# Altium PCB PCB_CAR.PcbDoc (part 3 of 3)
Units mil, origin at the board's own origin, x right, y up, seen from the top; angles counter-clockwise.
Board outline 3935 x 3900 mil, 4 copper layers (Top Layer, GND, PWR, Bottom Layer), stack 23.756 mil thick; 293 components, 267 nets, 1116 pads, 574 vias.
Unrouted connection lines stored in the file: 3.
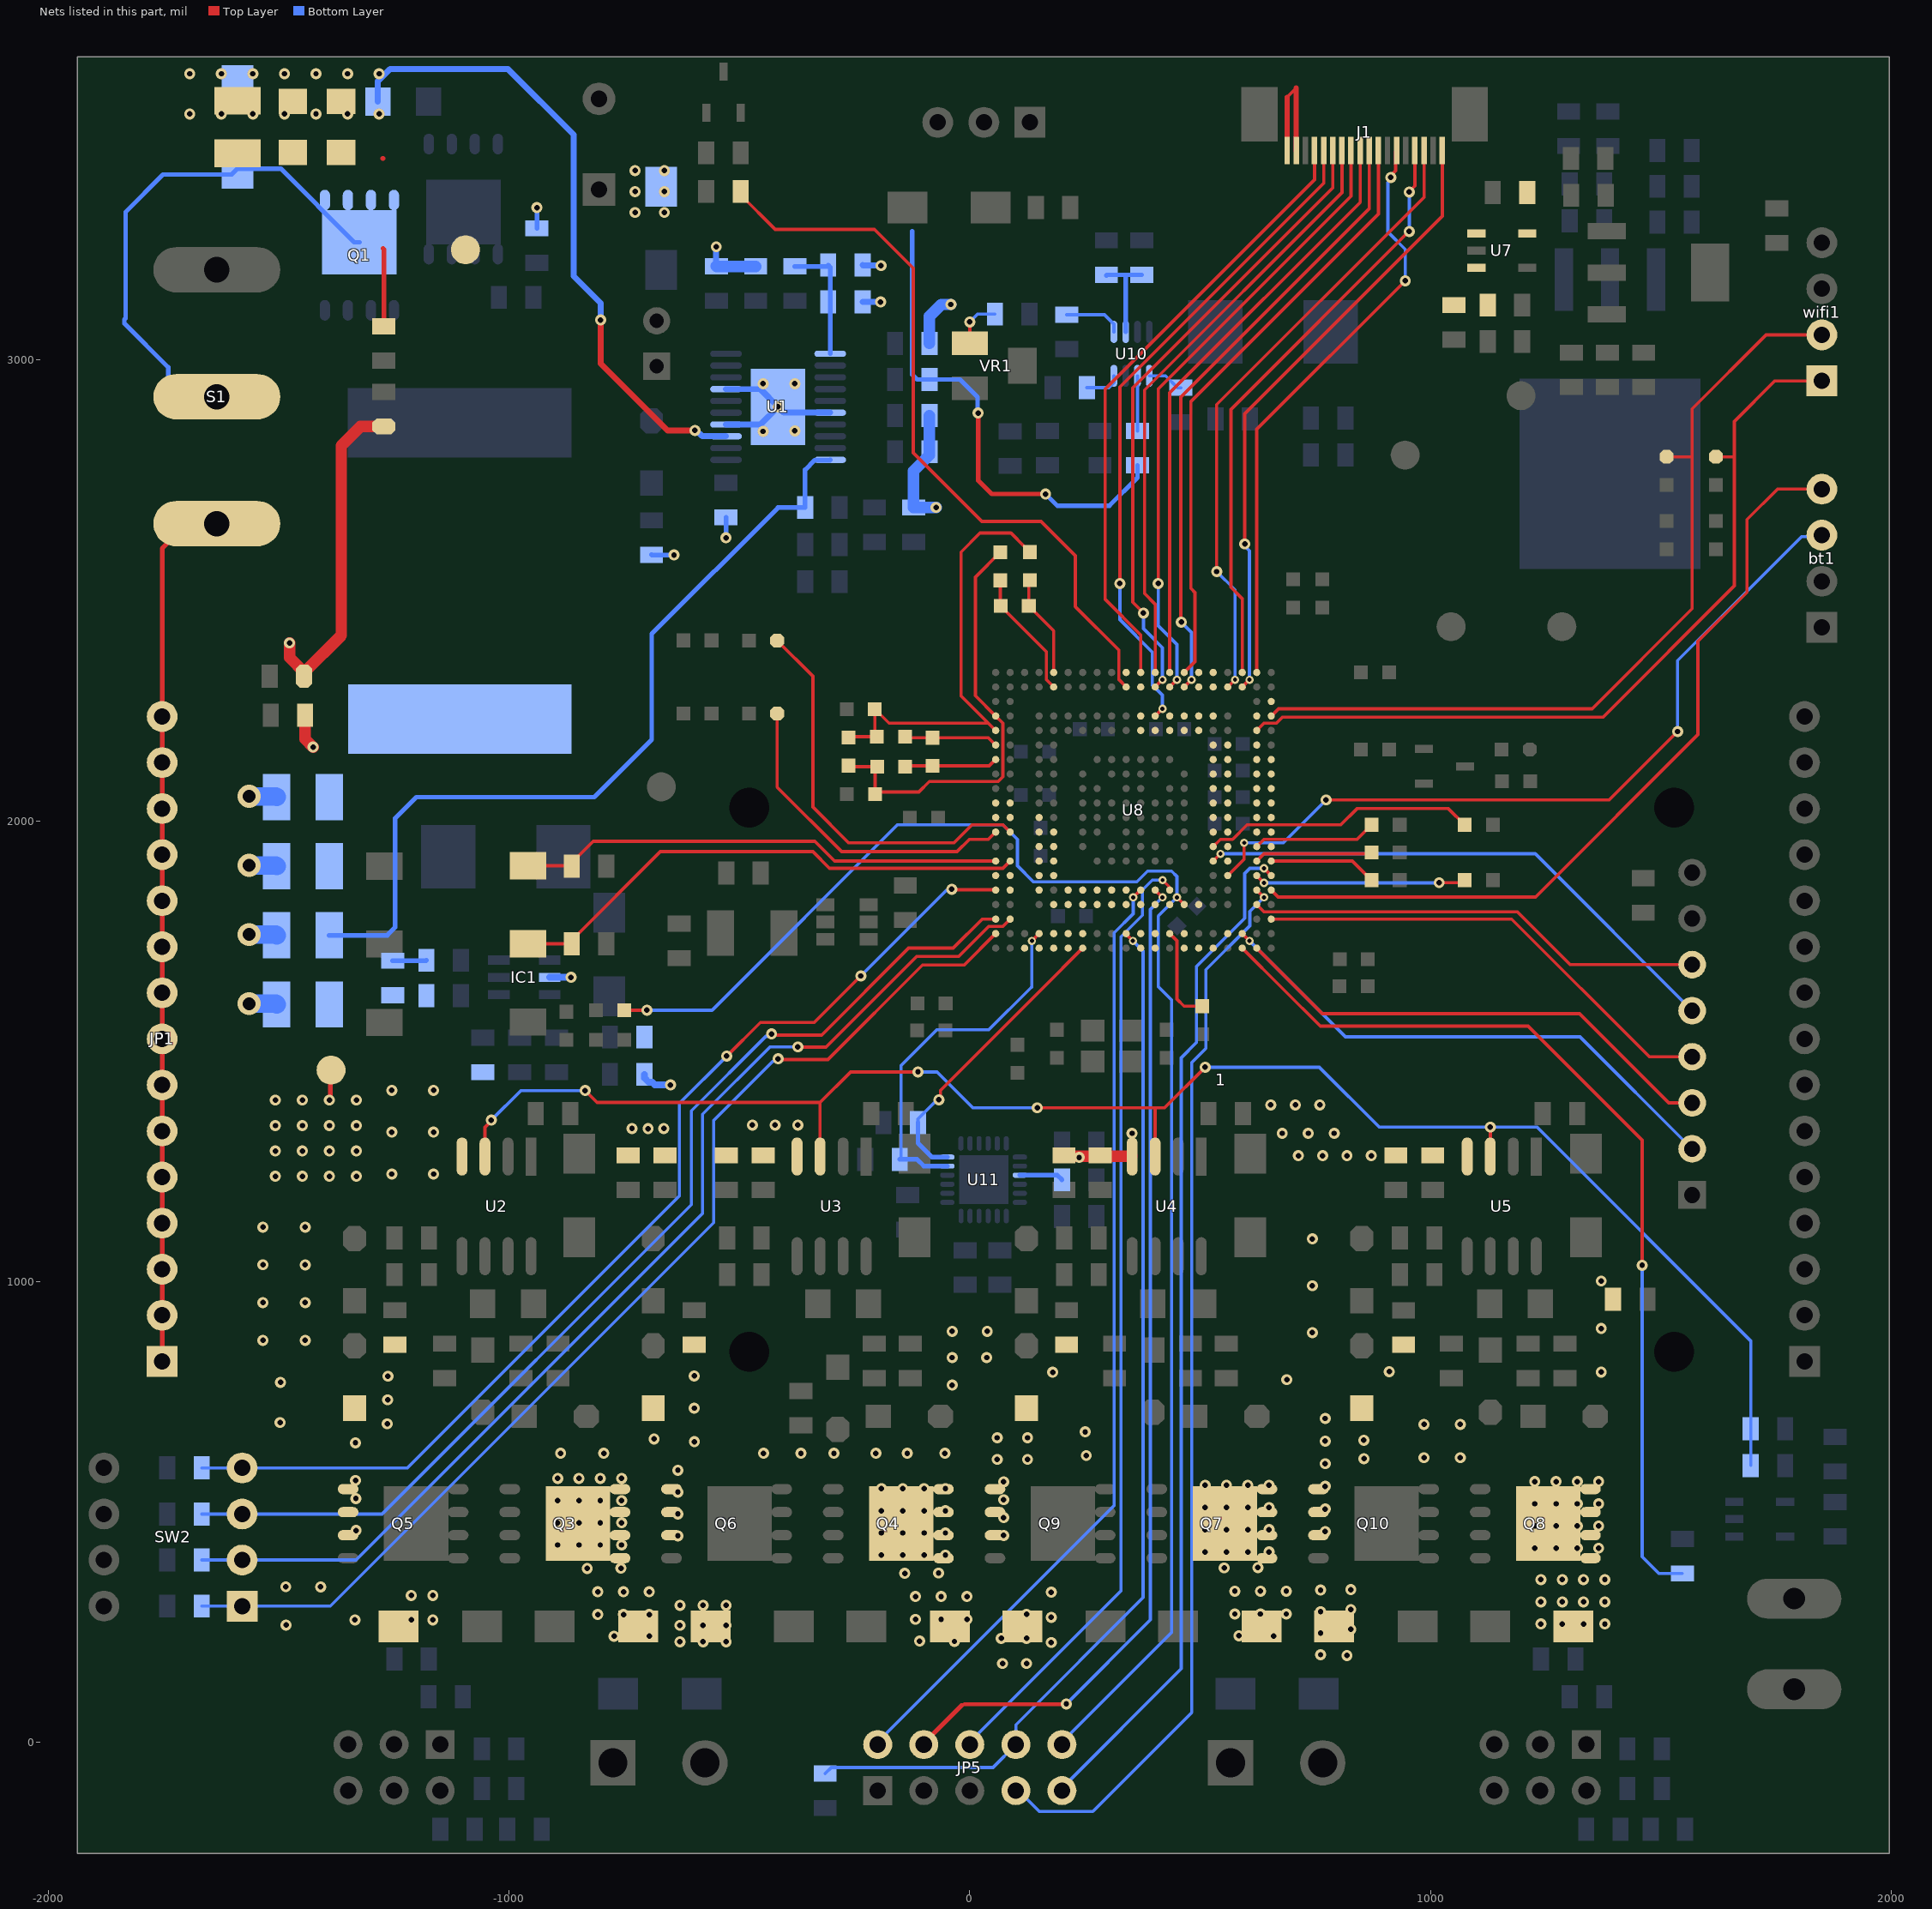
[diagram p5: the nets of this part, all layers, seen from the top]

## Via types
v1: diameter 24, hole 12, Top Layer to Bottom Layer, 474 vias
v2: diameter 18, hole 9, Top Layer to Bottom Layer, 92 vias
v3: diameter 50, hole 28, Top Layer to Bottom Layer, 6 vias
v4: diameter 122.05, hole 122.05, Top Layer to Bottom Layer, 2 vias

## Nets (pads, with @x,y where several pads share a name; then routed paths per layer and width w, separated by ;. In a path a pad name is that pad's centre, name@x,y a point inside that pad or via, vN(x,y) a via of type N, cw(c..) or ccw(c..) an arc to the next point about the centre after c; other vN are vias at no path point) (continued)
NetR70_1: R70.1 U10.1 | length 255.3
  Bottom Layer w7: 292.28,3098.78 U10.1@312.8,3078.26 ; 292.28,3098.78 R70.1@210.52,3098.78 292.28,3098.78 ; 292.28,3098.78 U10.1@312.8,3078.26 ; U10.1@312.8,3078.26 U10.1@312.8,3061.37 U10.1@312.8,3078.26
NetR71_1: R71.1 U10.8 | length 155.3
  Bottom Layer w7: 302.11,2940.42 R71.1@254.45,2940.42 302.11,2940.42 ; 302.11,2940.42 U10.8@312.79,2951.11 ; 302.11,2940.42 U10.8@312.79,2951.11 ; U10.8@312.79,2951.11 U10.8@312.79,2966.01 U10.8@312.79,2951.11
NetR74_1: R74.1 U10.6 | length 119.6
  Bottom Layer w7: R74.1@363.97,2846.4 U10.6@363.97,2966.01
NetR75_1: R75.1 U10.5 | length 159.1
  Bottom Layer w7: 424.99,2966 R75.1@450.88,2940.12 ; 424.99,2966 U10.5@389.57,2966 424.99,2966 ; 424.99,2966 R75.1@450.88,2940.12 ; R75.1@450.88,2940.12 R75.1@458.38,2940.12 R75.1@450.88,2940.12
NetR80_2: R80.2 U11.9 | length 95.5
  Bottom Layer w10: U11.9@108.64,1230.53 190,1230.53 R80.2@200,1220.53
NetRF2_2: RF2.2 VR1.1 | length 220.4
  Top Layer w7: VR1.1@-0.09,3036.96 -0.09,3085.5 VR1.1@-0.09,3036.96
  Bottom Layer w7: 16.97,3100 RF2.2@54.47,3100 16.97,3100 ; 16.97,3100 v1(-0.09,3082.93) 16.97,3100
P00_0: J1.8 U8.G1 | length 1315.1
  Top Layer w7: U8.G1@465.49,2321.97 489,2345.48 489,2495.49 480.19,2504.3 480.19,2910.49 887.26,3317.57 J1.8@887.26,3455.02
P00_1: J1.9 U8.G2 | length 1350.4
  Top Layer w7: v1(459.14,2431.32) 457.92,2432.54 457.92,2919.79 867.46,3329.33 J1.9@867.46,3455.02 ; U8.G2@465.49,2290.47 v2(481.24,2306.22)
  Bottom Layer w7: v1(459.14,2431.32) 479.75,2410.71 481.24,2409.23 v2(481.24,2306.22)
P00_2: J1.10 U8.H1 | length 1304.4
  Top Layer w7: U8.H1@433.99,2321.97 433.99,2410.71 433.99,2929.1 847.66,3342.77 J1.10@847.66,3455.02
P00_3: J1.11 U8.H2 | length 1361.4
  Top Layer w7: v1(409,2515) 409,2937 827.86,3355.86 J1.11@827.86,3455.02 ; U8.H2@433.99,2290.47 v2(449.74,2306.22)
  Bottom Layer w7: v1(409,2515) 409,2423.66 449.74,2382.92 v2(449.74,2306.22)
P00_4: J1.12 U8.J1 | length 1320.2
  Top Layer w7: U8.J1@402.5,2321.97 402.5,2470.2 379.32,2493.37 379.32,2935.32 808.06,3364.06 J1.12@808.06,3455.02
P00_5: J1.13 U8.J2 | length 1377.8
  Top Layer w7: v1(377,2451) 353.75,2474.25 353.75,2939.75 788.26,3374.26 J1.13@788.26,3455.02 ; U8.J2@402.5,2290.47 v2(418.24,2306.22)
  Bottom Layer w7: v1(377,2451) 377,2417 418.24,2375.76 v2(418.24,2306.22)
P00_6: J1.14 U8.J4 | length 1455.7
  Top Layer w7: v1(325.84,2515) 325.84,2941.84 768.46,3384.46 J1.14@768.46,3455.02 ; U8.J4@402.5,2227.48 v2(418.24,2243.23)
  Bottom Layer w7: v1(325.84,2515) 325.84,2436.67 396,2366.5 396,2295 418.24,2272.76 v2(418.24,2243.23)
P00_7: J1.15 U8.K1 | length 1353.3
  Top Layer w7: U8.K1@371,2321.97 371,2403.28 294,2480.28 294,2937.37 748.66,3392.03 J1.15@748.66,3455.02
P00_8: U8.K4
P00_9: U8.K2
P00_10: U8.K5
P00_11: U8.L1
P00_12: R78.2 U8.L2 | length 1624.3
  Top Layer w7: R78.2@-497.6,3366.36 -497.6,3358.86 -422.74,3284 -207,3284 -122.7,3199.7 -122.7,2798.7 26.22,2649.78 154.78,2649.78 228.89,2575.67 228.89,2464.9 323.76,2370.03 323.76,2306.22 U8.L2@339.5,2290.47
P01_3: U8.G5
P01_4: U8.G4
P01_5: U8.H5
P01_6: U8.H4
P01_7: U8.J5
P02_0: J1.6 U8.B1 | length 1290.1
  Top Layer w7: U8.B1@622.97,2321.97 622.97,2849.82 v1(945.54,3172.39) ; v1(914.16,3396.66) 914.16,3401.26 924.36,3411.46 924.36,3452.52 J1.6@926.86,3455.02
  Bottom Layer w7: v1(914.16,3396.66) 914.16,3392.06 907.95,3385.85 907.95,3278.05 945.54,3240.46 v1(945.54,3172.39)
P02_1: J1.1 U8.C2 | length 1352.9
  Top Layer w7: U8.C2@591.47,2290.47 v2(607.22,2306.22) ; v1(597,2601) 597,2883.78 1025.86,3312.64 J1.1@1025.86,3455.02
  Bottom Layer w7: v1(597,2601) 597,2596.4 607.22,2586.18 607.22,2410.71 v2(607.22,2306.22)
P02_2: J1.4 U8.C1 | length 1310.8
  Top Layer w7: U8.C1@591.47,2321.97 591.47,2410.71 591.47,2482.53 567,2507 567,2893 952.71,3278.71 v1@954.69,3278.71 ; v1@953.53,3365.55 966.46,3378.48 J1.4@966.46,3455.02
  Bottom Layer w7: v1@953.53,3365.55 v1(954.11,3364.96) v1(954.11,3279.29) v1@954.69,3278.71
P02_3: J1.3 U8.D2 | length 1374
  Top Layer w7: v1(536,2541) 536,2903.58 986.26,3353.84 J1.3@986.26,3455.02 ; U8.D2@559.98,2290.47 v2(575.72,2306.22)
  Bottom Layer w7: v1(536,2541) 575.72,2501.28 575.72,2410.71 v2(575.72,2306.22)
P02_5: U8.E2
P02_6: U8.E1
P02_7: U8.F2
P02_8: U8.F1
P02_9: U8.E4
P02_10: U8.F5
P02_11: U8.F4
P10_0: U8.A7
P10_1: U8.B7
P10_4: U8.B6
P10_5: LED4.2 U8.B5 wifi1.1 | length 1790.6
  Top Layer w7: U8.B5@622.97,2195.98 638.72,2211.73 665.62,2211.73 678.89,2225 1375,2225 1660,2510 1660,2790.18 ; LED4.2@1620,2790.18 1660,2790.18 ; wifi1.1@1850,2955 1748,2955 1660,2867 1660,2790.18
P10_6: LED5.2 U8.A4 wifi1.2 | length 1847.9
  Top Layer w7: U8.A4@654.46,2227.48 670.21,2243.23 1351.23,2243.23 1568.33,2460.33 1568.33,2790.18 ; LED5.2@1513,2790.18 1568.33,2790.18 ; wifi1.2@1850,3055 1729,3055 1568.33,2894.33 1568.33,2790.18
P10_7: U8.A3
P10_8: U8.B4
P11_0: U8.E10
P11_1: U8.E9
P11_2: U8.A10
P11_3: U8.B10
P11_4: U8.D10
P11_5: U8.D8
P11_6: U8.D9
P11_7: U8.E8
P11_8: U8.E7
P11_9: U8.A9
P11_10: U8.B9
P11_11: U8.A8
P11_12: U8.B8
P11_13: U8.E6
P11_14: U8.D7
P11_15: U8.D6
P12_0: U8.E12
P12_1: U8.E11
P13_0: U8.B12
P13_1: U8.A12
P13_2: U8.B11
P13_3: U8.A11
P14_0: JP5.7 U8.B16 | length 2349.1
  Top Layer w7: U8.B16@622.97,1849.53 v2(638.72,1833.78)
  Bottom Layer w7: JP5.7@100,-100 151,-151 267,-151 482,64 482,1475.33 512.73,1506.06 512.73,1634.8 512.73,1676.5 608.18,1771.96 608.18,1803.25 v2(638.72,1833.78)
P14_1: JP5.9 U8.A15 | length 2219.2
  Top Layer w7: v2(638.72,1896.77) U8.A15@654.46,1881.02 U8.A15@654.84,1881.4
  Bottom Layer w7: JP5.9@200,-100 459,159 459,1485.5 492.24,1518.74 492.24,1634.8 492.24,1683.51 597,1788.27 597,1885.59 608.18,1896.77 v2(638.72,1896.77)
P14_2: R41.1 U8.E13 | length 594.6
  Top Layer w7: U8.E13@528.48,1944.02 544.23,1959.76 570.46,1959.76 601.95,1991.26 805.46,1991.26 840.63,2026.43 1039.24,2026.43 R41.1@1074.41,1991.26
P14_3: R42.1 U8.B14 | length 256.9
  Top Layer w7: U8.B14@622.97,1912.52 638.72,1928.27 869.13,1928.27 R42.1@872.13,1931.26
P14_4: R52.1 U8.B15 | length 460.4
  Top Layer w7: U8.B15@622.97,1881.02 v2(638.72,1865.28) ; v1(1018.94,1865.5) 1068.64,1865.5 R52.1@1074.41,1871.27
  Bottom Layer w7: v2(638.72,1865.28) 743.21,1865.28 1018.72,1865.28 v1(1018.94,1865.5)
P14_5: R40.1 U8.A14 | length 234.5
  Top Layer w7: U8.A14@654.46,1912.52 830.25,1912.52 860,1882.77 860.63,1882.77 871.5,1871.89 R40.1@871.5,1871.27
P14_6: R50.1 U8.B13 | length 268.7
  Top Layer w7: U8.B13@622.97,1944.02 638.72,1959.76 840.63,1959.76 R50.1@872.13,1991.26
P14_7: U8.D13
P14_8: U8.A13
P14_9: U8.D12
P14_10: U8.D11
P15_0: 1.6 U8.B20 | length 1084.5
  Top Layer w7: U8.B20@622.97,1723.54 765.54,1580.97 1324.03,1580.97 1517.34,1387.66 1.6@1568.33,1387.66
P15_1: 1.5 U8.A18 | length 1037.7
  Top Layer w7: U8.A18@654.46,1786.54 743.21,1786.54 1176.46,1786.54 1475.34,1487.66 1.5@1568.33,1487.66
P15_2: 1.7 U8.C19 | length 1170.4
  Top Layer w7: U8.C19@591.47,1755.04 v2(607.22,1739.29)
  Bottom Layer w7: v2(607.22,1739.29) 815.51,1531 1324.99,1531 1.7@1568.33,1287.66
P15_3: 1.3 U8.B17 | length 999.4
  Top Layer w7: U8.B17@622.97,1818.03 638.72,1802.28 743.21,1802.28 1188.79,1802.28 1303.41,1687.66 1.3@1568.33,1687.66
P15_5: 1.4 U8.E14 | length 1187.5
  Top Layer w7: U8.E14@528.48,1912.52 v2(544.23,1928.27)
  Bottom Layer w7: v2(544.23,1928.27) 1227.72,1928.27 1.4@1568.33,1587.66
P15_6: bt1.4 U8.A16 | length 1779.8
  Top Layer w7: U8.A16@654.46,1849.53 669.46,1834.53 1228.52,1834.53 1581.04,2187.05 1581.04,2389.75 1687.28,2496 1687.28,2653.95 1753.34,2720 bt1.4@1850,2720
P15_7: bt1.3 U8.D15 | length 1707.2
  Top Layer w7: U8.D15@559.98,1881.02 595.59,1916.64 v2(595.59,1952.22) ; v1(773.62,2045.31) 1388.35,2045.31 v1(1536.75,2193.7)
  Bottom Layer w7: v2(595.59,1952.22) 680.53,1952.22 v1(773.62,2045.31) ; v1(1536.75,2193.7) 1536.75,2347.75 1806.04,2617.04 1847.04,2617.04 bt1.3@1850,2620
P15_8: U8.D14
P20_1: U8.G19
P20_2: R58.1 U8.H19 | length 210.1
  Top Layer w7: U8.H19@433.99,1755.04 449.74,1739.29 449.74,1612.81 464.97,1597.58 R58.1@504.76,1597.58
P20_3: U8.G20
P20_6: U8.F17
P20_8: U8.F20
P20_11: U8.E20
P20_12: U8.D19
P20_14: R45.2 U8.C20 | length 2047.4
  Top Layer w7: U8.C20@591.47,1723.54 680.21,1634.8 761.02,1554 1212.18,1554 1459.83,1306.35 v1(1459.83,1034.9)
  Bottom Layer w7: v1(1459.83,1034.9) 1459.83,402.31 1496.24,365.89 R45.2@1546.97,365.89
P21_0: U8.K17
P21_1: U8.J17
P21_2: U8.K19
P21_3: U8.J19
P21_4: U8.K20
P21_5: U8.J20
P21_6: U8.H17
P21_7: JP5.6 U8.H16 | length 2085.7
  Top Layer w7: v2(418.42,1871.27) 432.32,1857.36 432.32,1851.2 U8.H16@433.99,1849.53
  Bottom Layer w7: JP5.6@0,0 328.24,328.24 328.24,1634.8 328.24,1748.24 374.75,1794.75 374.75,1849.75 396.27,1871.27 v2(418.42,1871.27)
P22_0: R77.1 U8.P20 U11.24 | length 650
  Top Layer w7: v1(-67.03,1394.4) -63.77,1397.65 -63.77,1414.75 156.28,1634.8 U8.P20@245.02,1723.54
  Bottom Layer w7: R77.1@-112.6,1345 -112.6,1352.5 -70.7,1394.4 v1(-67.03,1394.4)
  Bottom Layer w10: R77.1@-112.6,1345 -112.6,1300 -82.5,1269.9 U11.24@-48.84,1269.9
P22_1: U8.P19
P22_2: U8.R20
P22_3: U8.R19
P22_4: U8.P16
P22_5: U8.P17
P22_6: U8.N16
P22_7: U8.N17
P22_8: U8.M16
P22_9: U8.M17
P22_10: U8.L16
P22_11: U8.L17
P23_0: U8.V20
P23_1: R76.1 U8.U19 U11.23 | length 791.6
  Top Layer w7: v2(134.78,1739.29) U8.U19@150.53,1755.04
  Bottom Layer w7: R76.1@-152.03,1265 R76.1@-152.03,1264.63 -149.44,1267.22 -149.44,1468.58 -71.88,1546.13 41.13,1546.13 129.8,1634.8 134.78,1639.78 v2(134.78,1739.29)
  Bottom Layer w10: R76.1@-152.03,1265 -114.61,1265 -99.83,1250.22 U11.23@-48.83,1250.22
P23_2: U8.U20
P23_3: U8.T19
P23_4: U8.T20
P23_5: U8.T17
P23_6: U8.R17
P23_7: U8.R16
P32_2: R68.2 SW2.3 U8.Y18 | length 2380
  Top Layer w7: v1(-430.51,1537.22) -428.1,1534.81 -321.67,1534.81 -132.9,1723.58 -36.09,1723.58 26.87,1786.54 U8.Y18@56.04,1786.54
  Bottom Layer w7: R68.2@-1667.6,495 SW2.3@-1580,495 -1276,495 -604.4,1166.6 -604.4,1370.4 -442.95,1531.84 -440.49,1531.84 -435.11,1537.22 v1(-430.51,1537.22)
P32_3: R66.2 SW2.1 U8.Y19 | length 2459.7
  Top Layer w7: v1(-416.15,1483.32) -414.5,1481.68 -308.21,1481.68 -102.88,1687.02 -32.7,1687.02 -11.98,1687.02 U8.Y19@56.04,1755.04
  Bottom Layer w7: R66.2@-1667.6,295 SW2.1@-1580,295 -1388.59,295 -556.15,1127.43 -556.15,1349.19 -428,1477.35 -426.72,1477.35 -420.75,1483.32 v1(-416.15,1483.32)
P32_4: R67.2 SW2.2 U8.W18 | length 2458.3
  Top Layer w7: v1(-373.49,1509.05) -372.79,1508.35 -312.38,1508.35 -115.23,1705.5 -32.7,1705.5 -24.25,1705.5 41.04,1770.79 71.79,1770.79 U8.W18@87.54,1786.54
  Bottom Layer w7: R67.2@-1667.6,395 SW2.2@-1580,395 -1332.59,395 -580.28,1147.31 -580.28,1362.72 -433.95,1509.05 v1(-373.49,1509.05)
P32_5: U8.T15
P32_6: U8.U15
P32_7: U8.U16
P33_0: U8.W10
P33_1: U8.Y10
P33_2: U8.W11
P33_3: U8.Y11
P33_4: LED6.2 U8.W12 | length 876.9
  Top Layer w7: LED6.2@-418.41,2391.26 -340.87,2313.72 -340.87,2029.69 -263.39,1952.22 -34.24,1952.22 4.81,1991.26 71.79,1991.26 U8.W12@87.54,1975.51
P33_5: LED7.2 U8.Y12 | length 710.1
  Top Layer w7: LED7.2@-418.41,2233.02 -418.33,2232.94 -418.33,2072.98 -278.25,1932.9 -27.93,1932.9 -1.07,1959.76 40.29,1959.76 U8.Y12@56.04,1975.51
P33_8: R72.2 SW3.1 U8.W14 | length 1155.2
  Top Layer w7: SW3.1@-959,1733 R72.2@-864.4,1733 -864.4,1740.5 -672,1932.9 -340.87,1932.9 -304.74,1896.77 71.79,1896.77 U8.W14@87.54,1912.52
P33_9: R73.2 SW4.1 U8.Y14 | length 1060
  Top Layer w7: SW4.1@-959,1902.22 -865.18,1902.22 R73.2@-864.4,1901.43 -864.4,1908.93 -850.4,1922.93 -850.3,1922.93 -817.73,1955.5 -336.61,1955.5 -293.63,1912.52 U8.Y14@56.04,1912.52
P33_10: U8.W15
P33_11: U8.Y15
P33_12: U8.W16
P33_13: R69.2 SW2.4 U8.Y16 | length 2362.3
  Top Layer w7: v1(-527.86,1489.18) -454.82,1562.21 -337.62,1562.21 v1(-236.71,1663.12) ; v1(-39.33,1851.39) -38.4,1850.46 -32.7,1850.46 55.11,1850.46 U8.Y16@56.04,1849.53
  Bottom Layer w7: R69.2@-1667.6,595 SW2.4@-1580,595 -1221.45,595 -630.68,1185.76 -630.68,1386.35 v1(-527.86,1489.18) ; v1(-236.71,1663.12) -51.69,1848.14 -42.59,1848.14 v1(-39.33,1851.39)
P33_14: U8.T14
P33_15: U8.U14
P34_1: U8.U11
P34_2: U8.T12
P34_3: U8.U12
P34_4: U8.T13
P34_5: U8.U13
PGND: C1.1 C2.1 C3.1 C4.1 C6.1 C7.1 C8.2 C9.2 C10.2 C11.2 C12.1 C13.1 C18.1 C19.1 C20.1 C21.1 C24.1 C25.1 C26.1 C27.1 C28.2 C29.2 C31.2 C32.2 CIN1.1 D12.1 D13.1 D23.1 D24.1 DR1.2 DZ3.1 DZ4.1 DZ7.1 DZ8.1 IC1.2 LED1.2 LED2.2 Q5.1 Q5.2 Q5.3 Q6.1 Q6.2 Q6.3 Q9.1 Q9.2 Q9.3 Q10.1 Q10.2 Q10.3 R5.1 R6.1 R7.2 R9.1 R21.1 R22.1 R35.1 R36.1 R44.2 RC1.2 RC.2 RFB2.2 U1.6 U1.13 U1.14 U1.17 U1.21 U2.4 U3.4 U4.4 U5.4 | length 3732.2
  Top Layer w13: v1(-801.76,3087.25) -801.76,2992.76 -656.61,2847.61 v1(-597,2847.61)
  Top Layer w25: v1(-1477,2386) -1477,2354.32 -1445.6,2322.92 LED2.2@-1445.6,2321.5 ; LED2.2@-1445.6,2314 LED2.2@-1445.6,2321.5 ; LED1.2@-1272.28,2856.15 -1322.9,2856.15 -1364.73,2814.33 -1364.73,2402.37 LED2.2@-1445.6,2321.5 ; C24.1@199.32,1278.37 C24.1@204.32,1273.37 ; C24.1@204.41,1271.96 C25.1@281.9,1271.96 ; C25.1@284.73,1271.96 U4.4@351.74,1271.96
  Bottom Layer w10: RC1.2@-940.03,3286.09 v1(-940.03,3331.29) ; C4.1@-691.12,2577.43 -690.7,2577.01 v1(-642.3,2577.01) ; R7.2@-529.43,2658.89 v1(-529.43,2614.43) v1@-528,2613
  Bottom Layer w13: R9.1@-1285.15,3561.41 -1285.15,3605.85 -1259,3632 -1003,3632 -860.45,3489.45 -860.45,3182.45 -801.76,3123.76 v1(-801.76,3087.25) ; v1(-597,2847.61) -594.03,2847.61 -581.28,2834.86 -529.53,2834.86 U1.13@-529.43,2834.76 ; CIN1.1@-550.6,3204.27 v1(-550.6,3246.14) ; U1.14@-529.43,2860.35 -454.7,2860.35 v1(-416.31,2898.73) ; U1.17@-529.43,2937.12 -454.7,2937.12 v1(-416.31,2898.73) ; U1.6@-303.19,2885.94 -403.51,2885.94 v1(-416.31,2898.73) ; C6.1@-232.63,3126.29 v1(-193.93,3126.29) ; C7.1@-232.63,3206.29 -231.62,3205.28 v1(-192.92,3205.28)
  Bottom Layer w15: IC1.2@-912.33,1660.2 v1(-865.86,1660.2) ; C29.2@-706.76,1449.37 -706.76,1441.87 -696.76,1431.87 -689.26,1431.87 -683.81,1426.43 v1(-649.96,1426.43)
  Bottom Layer w25: CIN1.1@-550.6,3204.27 CIN1.1@-550.03,3203.69 R5.1@-465.03,3203.69 ; C12.1@-87.63,2879.62 C13.1@-87.63,2801.29 -87.63,2793.79 -122.2,2759.21 RFB2.2@-122.2,2680.09 v1(-73.36,2680.09) ; R6.1@-87.63,3036.29 -87.63,3095 -61.63,3121 v1(-41,3121)
  Bottom Layer w40: v3(-1565,1603) -1506.69,1603 C10.2@-1505.12,1601.43 ; v3(-1565,1753) -1506.69,1753 C11.2@-1505.12,1751.43 ; v3(-1565,1903) -1506.69,1903 C8.2@-1505.12,1901.43 ; v3(-1565,2053) -1506.69,2053 C9.2@-1505.12,2051.43
  other v1: 71.18,170.36 123.22,170.36 818.74,187.9 761.63,189.4 176.68,216.03 -629.3,217.63 -579.25,217.63 -529.2,217.63 68.35,225.06 123.22,225.06 761.63,236.16 827.26,244.51 -629.3,253.28 -579.25,253.28 -529.2,253.28 -1484.66,254 -1335.06,265.18 -1212.85,265.18 -1165.88,265.18 176.68,270.55 123.22,277.28 761.63,282.92 827.26,287.59 -629.28,296.57 -579.23,296.57 -529.18,296.57 -1212.85,318.13 -1165.88,318.13 176.68,325.07 761.63,329.68 827.26,330.68 -1409.64,336.59 -1485.15,336.99 -633.92,447.39 73.41,448.35 771.47,456.79 -1332.54,459.3 73.41,487.13 -633.92,494.94 771.47,505.9 73.41,525.9 -1333.06,528.4 -633.92,542.48 771.47,555.01 73.41,564.68 -1333.68,567.93 -633.92,590.03 771.47,604.12 59.3,613.58 125.37,613.58 855.79,615.14 986.26,617.23 1065.01,617.23 252.87,621.95 -888.43,626.89 -794.69,626.89 -447.79,626.89 -366.72,626.89 -295.07,626.89 -203.86,626.89 -135.83,626.89 -54.04,626.89 -1334.02,649.65 -597.99,651.85 771.47,653.23 855.38,655.04 -685.47,657.84 59.3,660.46 125.37,660.46 250.5,673.39 986.26,689.47 1065.01,689.47 -1264.84,690.76 -1497.66,693.6 771.47,702.34 -598.35,724.75 -1263.83,742.89 -38.16,774.74 -1496.73,780.75 688.11,786.55 -1263.33,794.03 -598.35,794.8 179.93,802.83 1370.93,803.16 910.61,803.97 -38.16,834.55 36.74,834.55 -1534.72,872.08 -1443.14,872.08 743.84,888.72 -38.16,891.55 37.85,891.55 1370.93,897.74 -1534.72,954.05 -1443.14,953.99 743.84,990.46 1370.93,1000.74 -1534.72,1036.03 -1443.14,1035.91 743.84,1092.2 -1534.72,1117.83 -1443.14,1117.83 -1255,1233.05 -1164.31,1233.05 237.43,1269.09 713.29,1272.79 766.03,1272.79 818.76,1272.79 871.5,1272.79 352.11,1321.51 678.2,1321.51 734.72,1321.51 791.24,1321.51 -1255,1323.92 -1164.31,1323.92 -698.6,1331.56 -733.51,1331.9 -664.38,1331.9 -472.05,1339.4 -422.68,1339.4 -373.31,1339.4 653.51,1383.26 706.78,1383.26 760.06,1383.26 -1255,1414.8 -1164.31,1414.8 -449,2845.4 -380.03,2846.4 -449,2949 -380.03,2949 -1693.69,3534.64 -1625.16,3534.64 -1556.63,3534.64 -1488.11,3534.64 -1419.58,3534.64 -1351.05,3534.64 -1282.53,3534.64 -1693.69,3621.79 -1625.16,3621.79 -1556.63,3621.79 -1488.11,3621.79 -1419.58,3621.79 -1351.05,3621.79 -1282.53,3621.79
RST: JP5.10 R8.2 U8.G17 | length 3494.7
  Top Layer w7: R8.2@-750.29,1588.79 v1(-701,1588.79) ; v2(449.74,1833.78) U8.G17@465.49,1818.03
  Bottom Layer w7: v1(-701,1588.79) -559.68,1588.79 -157.21,1991.26 71.79,1991.26 103.28,1959.76 103.28,1902.33 138.02,1867.59 362.74,1867.59 385.92,1890.77 438,1890.77 449.74,1879.03 v2(449.74,1833.78) 409.16,1793.2 409.16,1639.82 438,1610.98 438,238 JP5.10@200,0
SD1: R46.2 R47.1 U2.3 U3.3 U4.3 U5.3 | length 3755.6
  Top Layer w7: U2.3@-1052.67,1271.09 -1052.67,1334.33 v1@-1038,1349 ; v1(-835.23,1414.2) -809.38,1388.35 -325.12,1388.35 ; U3.3@-325.12,1271.09 -325.12,1388.35 ; v1(-112.59,1454.71) -258.76,1454.71 -325.12,1388.35 ; v1(146.4,1376.93) 402.42,1376.93 ; U4.3@402.42,1271.09 402.42,1376.93 ; v1(510.96,1465) 422.9,1376.93 402.42,1376.93 ; U5.3@1129.97,1271.09 1130.08,1271.2 1130.08,1334.75 v1(1130.18,1334.86)
  Bottom Layer w7: v1(-1038.96,1350.14) -974.89,1414.2 v1(-835.23,1414.2) ; v1(-112.59,1454.71) -71.06,1454.71 6.71,1376.93 v1(146.4,1376.93) ; v1(510.96,1465) 759,1465 889.14,1334.86 v1(1130.18,1334.86) 1231.63,1334.86 1695.57,870.91 R46.2@1695.57,600.29